# Altium PCB PCB_CARTE_SON.PcbDoc (part 2 of 5)
Units mil, origin at the board's own origin, x right, y up, seen from the top; angles counter-clockwise.
Board outline 6000 x 4000 mil, 2 copper layers (Top Layer, Bottom Layer); 1714 components, 935 nets, 4585 pads, 9 vias.
Unrouted connection lines stored in the file: 2325.
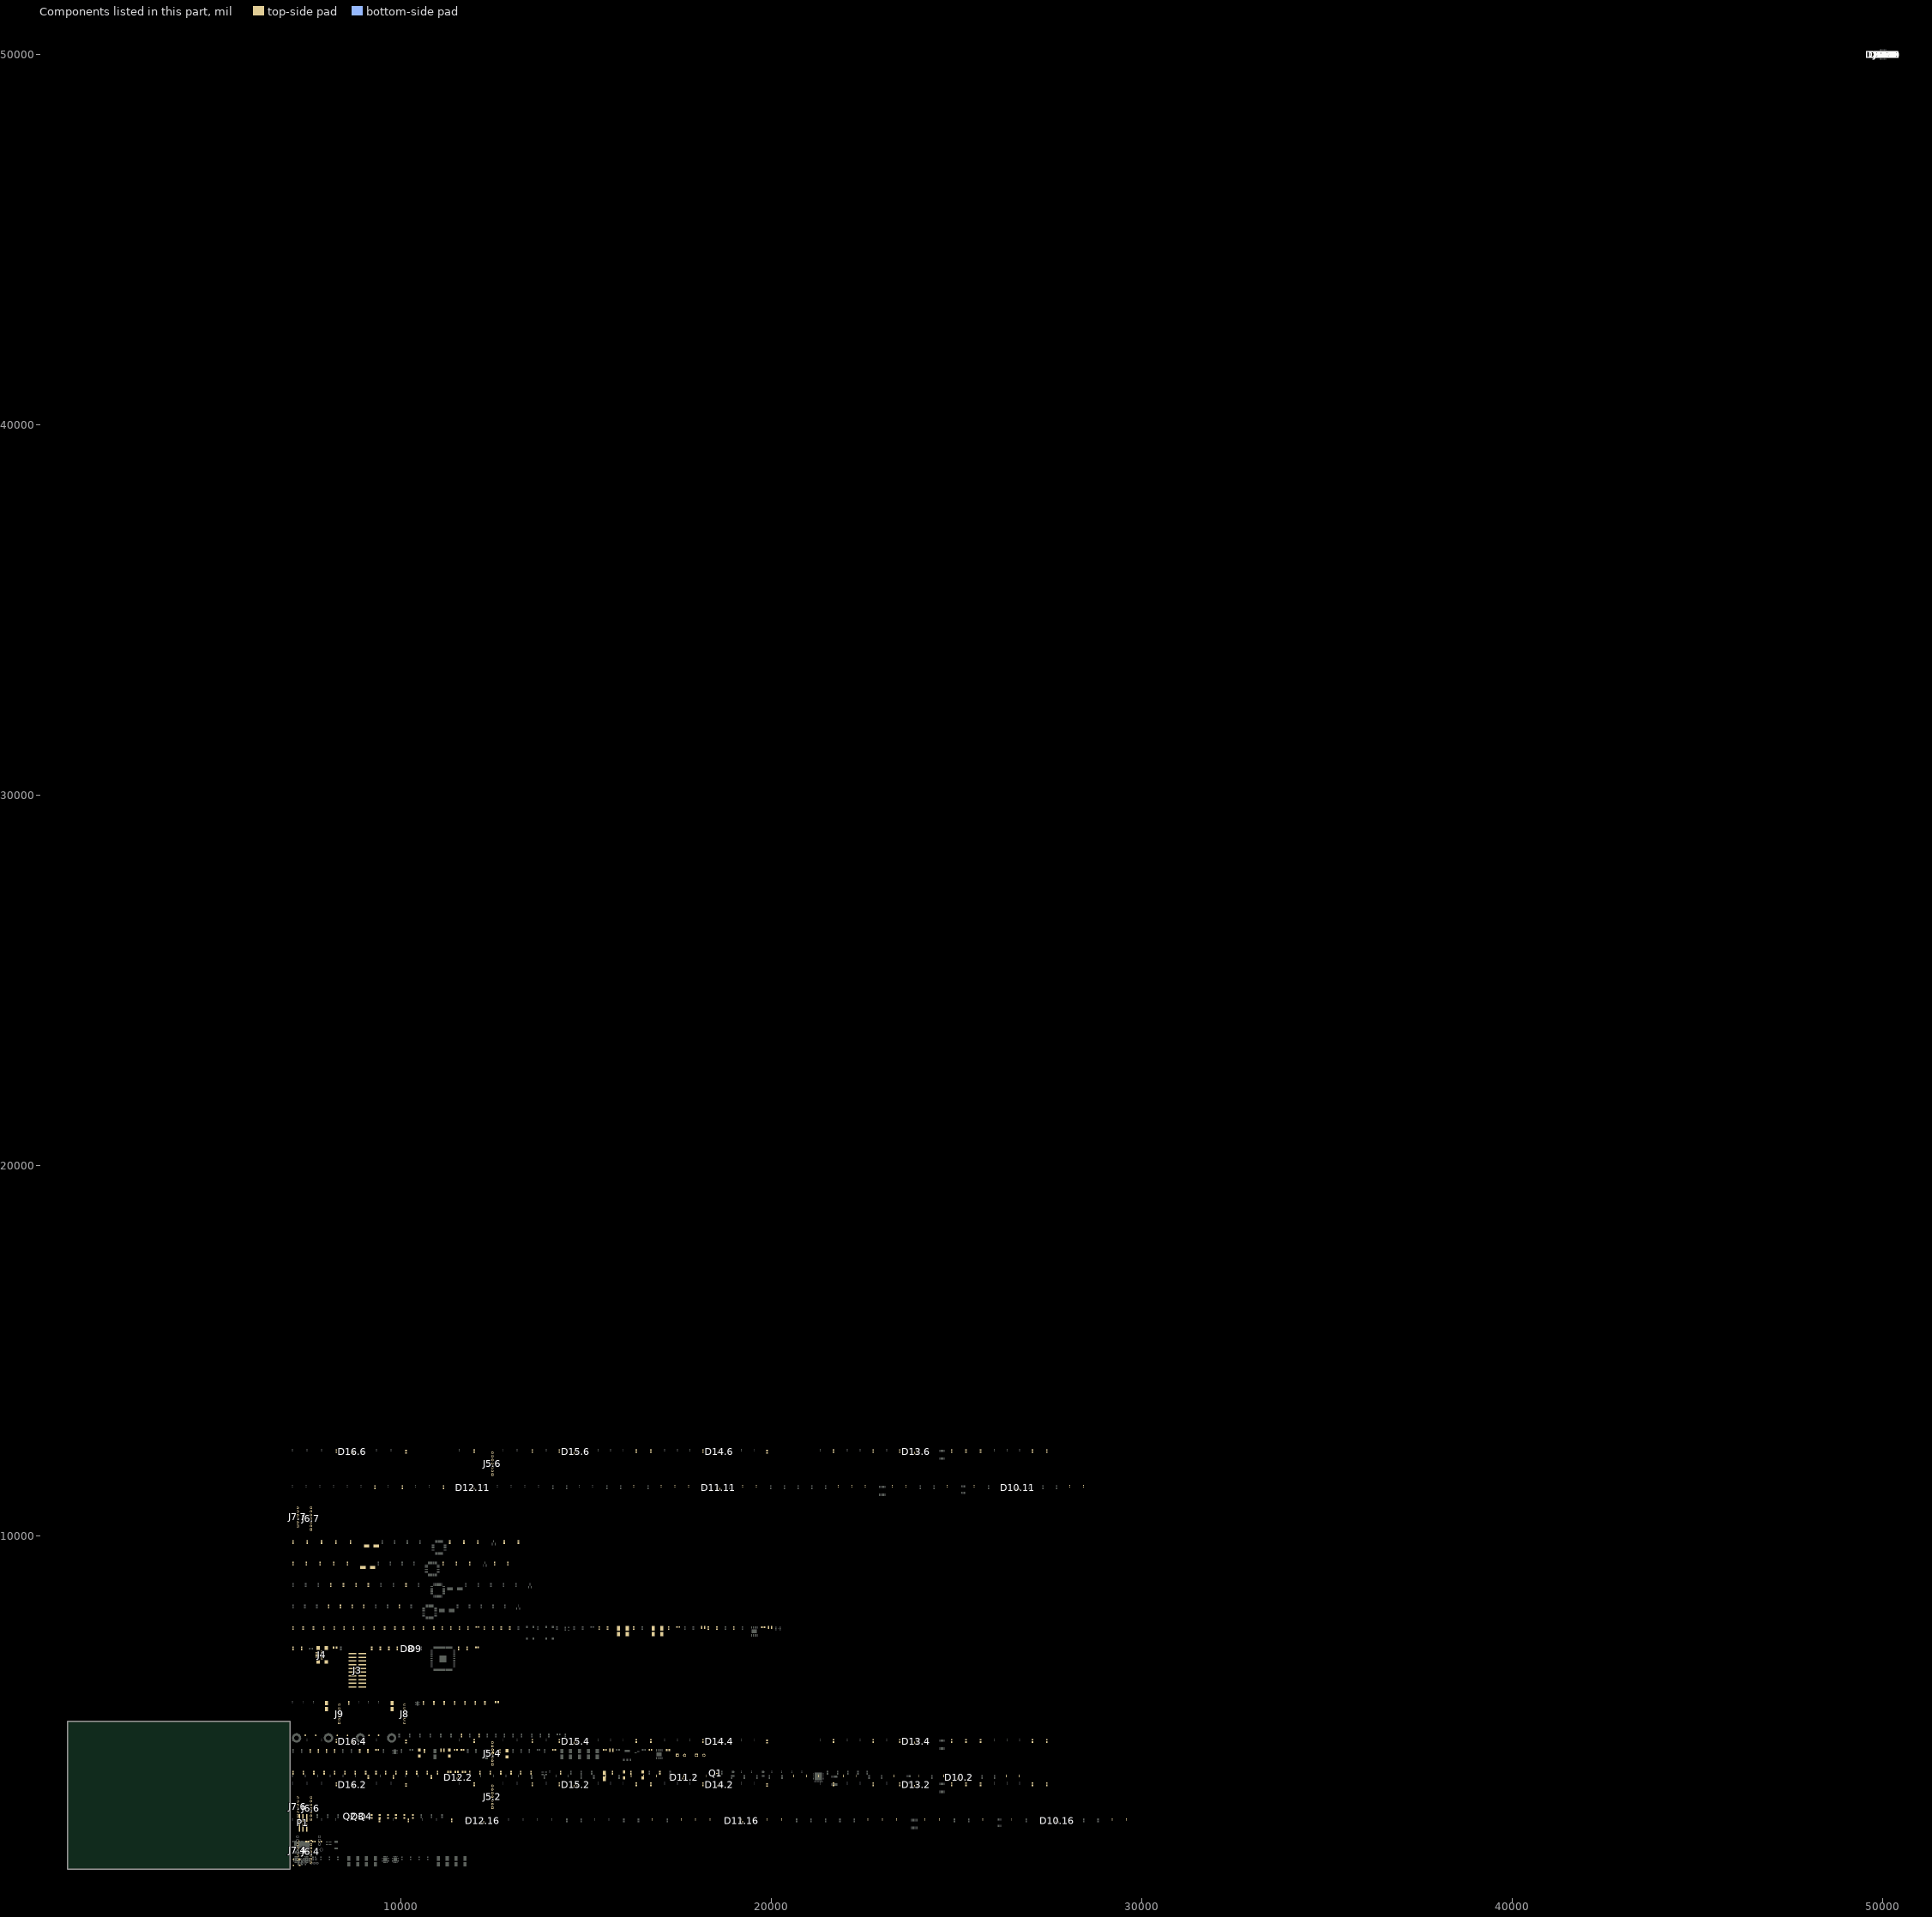
[diagram p2: the components of this part, seen from the top]

## Components (designator, comment, footprint, x,y, rotation, side; value= is the part's Value field where it differs from the comment) (continued)
C73.15 "Capacitor" 0603 49999.5,49999.5 r0 top (schematic designator C73)
C73.16 "Capacitor" 0603 11755,2325 r90 top (schematic designator C73)
C74.1 "Capacitor" 0603 49999.5,49999.5 r0 top (schematic designator C74)
C74.2 "Capacitor" 0603 10815,3495 r90 top (schematic designator C74)
C74.3 "Capacitor" 0603 49999.5,49999.5 r0 top (schematic designator C74)
C74.4 "Capacitor" 0603 49999.5,49999.5 r0 top (schematic designator C74)
C74.5 "Capacitor" 0603 49999.5,49999.5 r0 top (schematic designator C74)
C74.6 "Capacitor" 0603 49999.5,49999.5 r0 top (schematic designator C74)
C74.7 "Capacitor" 0603 49999.5,49999.5 r0 top (schematic designator C74)
C74.8 "Capacitor" 0603 49999.5,49999.5 r0 top (schematic designator C74)
C74.9 "Capacitor" 0603 49999.5,49999.5 r0 top (schematic designator C74)
C74.10 "Capacitor" 0603 49999.5,49999.5 r0 top (schematic designator C74)
C74.11 "Capacitor" 0603 11145,11320 r90 top (schematic designator C74)
C74.12 "Capacitor" 0603 49999.5,49999.5 r0 top (schematic designator C74)
C74.13 "Capacitor" 0603 49999.5,49999.5 r0 top (schematic designator C74)
C74.14 "Capacitor" 0603 49999.5,49999.5 r0 top (schematic designator C74)
C74.15 "Capacitor" 0603 49999.5,49999.5 r0 top (schematic designator C74)
C74.16 "Capacitor" 0603 11365,2325 r90 top (schematic designator C74)
C75.1 "Capacitor" 0603 49999.5,49999.5 r0 top (schematic designator C75)
C75.2 "Capacitor" 0603 9795,3495 r90 top (schematic designator C75)
C75.3 "Capacitor" 0603 49999.5,49999.5 r0 top (schematic designator C75)
C75.4 "Capacitor" 0603 49999.5,49999.5 r0 top (schematic designator C75)
C75.5 "Capacitor" 0603 49999.5,49999.5 r0 top (schematic designator C75)
C75.6 "Capacitor" 0603 49999.5,49999.5 r0 top (schematic designator C75)
C75.7 "Capacitor" 0603 49999.5,49999.5 r0 top (schematic designator C75)
C75.8 "Capacitor" 0603 49999.5,49999.5 r0 top (schematic designator C75)
C75.9 "Capacitor" 0603 49999.5,49999.5 r0 top (schematic designator C75)
C75.10 "Capacitor" 0603 49999.5,49999.5 r0 top (schematic designator C75)
C75.11 "Capacitor" 0603 10035,11320 r90 top (schematic designator C75)
C75.12 "Capacitor" 0603 49999.5,49999.5 r0 top (schematic designator C75)
C75.13 "Capacitor" 0603 49999.5,49999.5 r0 top (schematic designator C75)
C75.14 "Capacitor" 0603 49999.5,49999.5 r0 top (schematic designator C75)
C75.15 "Capacitor" 0603 49999.5,49999.5 r0 top (schematic designator C75)
C75.16 "Capacitor" 0603 10195,2325 r90 top (schematic designator C75)
C76.1 "Capacitor" 0603 49999.5,49999.5 r0 top (schematic designator C76)
C76.2 "Capacitor" 0603 9115,3495 r90 top (schematic designator C76)
C76.3 "Capacitor" 0603 49999.5,49999.5 r0 top (schematic designator C76)
C76.4 "Capacitor" 0603 49999.5,49999.5 r0 top (schematic designator C76)
C76.5 "Capacitor" 0603 49999.5,49999.5 r0 top (schematic designator C76)
C76.6 "Capacitor" 0603 49999.5,49999.5 r0 top (schematic designator C76)
C76.7 "Capacitor" 0603 49999.5,49999.5 r0 top (schematic designator C76)
C76.8 "Capacitor" 0603 49999.5,49999.5 r0 top (schematic designator C76)
C76.9 "Capacitor" 0603 49999.5,49999.5 r0 top (schematic designator C76)
C76.10 "Capacitor" 0603 49999.5,49999.5 r0 top (schematic designator C76)
C76.11 "Capacitor" 0603 9295,11320 r90 top (schematic designator C76)
C76.12 "Capacitor" 0603 49999.5,49999.5 r0 top (schematic designator C76)
C76.13 "Capacitor" 0603 49999.5,49999.5 r0 top (schematic designator C76)
C76.14 "Capacitor" 0603 49999.5,49999.5 r0 top (schematic designator C76)
C76.15 "Capacitor" 0603 49999.5,49999.5 r0 top (schematic designator C76)
C76.16 "Capacitor" 0603 9415,2325 r90 top (schematic designator C76)
C77 "Capacitor" 0603 18985,7515 r90 top
C78 "Capacitor" 0603 18525,7515 r90 top
C79 "Capacitor" 0603 18295,7515 r90 top
C80 "Capacitor" 0603 17220,7515 r90 top
C81 "Capacitor" 0603 17480,7545 r0 top
C82 "Capacitor_Polarized" CAP_RAD_SMD_DIA157 16805,7430 r90 top
C83 "Capacitor_Polarized" CAP_RAD_SMD_DIA157 17040,7430 r90 top
C84 "Capacitor" 0603 16280,7515 r90 top
C85 "Capacitor_Polarized" CAP_RAD_SMD_DIA157 15865,7430 r90 top
C86 "Capacitor_Polarized" CAP_RAD_SMD_DIA157 16105,7430 r90 top
C87 "Capacitor" 0603 15575,7515 r90 top
C88 "Capacitor" 0603 15345,7515 r90 top
C89 "Capacitor" 0603 12935,7515 r90 top
C90 "Capacitor" 0603 11805,7515 r90 top
C91 "Capacitor" 0603 12065,7545 r0 top
C92 "Capacitor" 0603 12245,7515 r90 top
C93 "Capacitor" 0603 12475,7515 r90 top
C94 "Capacitor" 0603 12705,7515 r90 top
C95 "Capacitor" 0603 10885,7515 r90 top
C96 "Capacitor" 0603 11115,7515 r90 top
C97 "Capacitor" 0603 11345,7515 r90 top
C98 "Capacitor" 0603 11575,7515 r90 top
C99 "Capacitor" 0603 9835,7515 r90 top
C100 "Capacitor" 0603 10065,7515 r90 top
C101 "Capacitor" 0603 10345,7515 r90 top
C102 "Capacitor" 0603 10605,7515 r90 top
C103 "Capacitor" 0603 8715,7515 r90 top
C104 "Capacitor" 0603 8995,7515 r90 top
C105 "Capacitor" 0603 9275,7515 r90 top
C106 "Capacitor" 0603 9555,7515 r90 top
C107 "Capacitor" 0603 7355,7515 r90 top
C108 "Capacitor" 0603 7635,7515 r90 top
C109 "Capacitor" 0603 7915,7515 r90 top
C110 "Capacitor" 0603 8195,7515 r90 top
C111 "Capacitor" 0603 8465,7515 r90 top
C112 "Capacitor" 0603 7085,7515 r90 top
C114.1 "Capacitor" 0603 12885,9255 r90 top (schematic designator C114)
C114.2 "Capacitor" 0603 13165,9835 r90 top (schematic designator C114)
C115.1 "Capacitor" 0603 12525,9255 r90 top (schematic designator C115)
C115.2 "Capacitor" 0603 12785,9835 r90 top (schematic designator C115)
C116.1 "Capacitor" 0603 11495,9255 r90 top (schematic designator C116)
C116.2 "Capacitor" 0603 11695,9835 r90 top (schematic designator C116)
C117.1 "Capacitor" 0603 11855,9255 r90 top (schematic designator C117)
C117.2 "Capacitor" 0603 12075,9835 r90 top (schematic designator C117)
C118.1 "Capacitor" 0603 11135,9255 r90 top (schematic designator C118)
C118.2 "Capacitor" 0603 11315,9835 r90 top (schematic designator C118)
C119.1 "Capacitor_Polarized_1" CAP_RAD_SMD_DIA315 9100,9150 r0 top (schematic designator C119)
C119.2 "Capacitor_Polarized_1" CAP_RAD_SMD_DIA315 9200,9730 r0 top (schematic designator C119)
C120.1 "Capacitor" 0603 8555,9255 r90 top (schematic designator C120)
C120.2 "Capacitor" 0603 8635,9835 r90 top (schematic designator C120)
C121.1 "Capacitor" 0603 7085,9255 r90 top (schematic designator C121)
C121.2 "Capacitor" 0603 7085,9835 r90 top (schematic designator C121)
C122.1 "Capacitor" 0603 7445,9255 r90 top (schematic designator C122)
C122.2 "Capacitor" 0603 7465,9835 r90 top (schematic designator C122)
C123.1 "Capacitor" 0603 7815,9255 r90 top (schematic designator C123)
C123.2 "Capacitor" 0603 7855,9835 r90 top (schematic designator C123)
C124.1 "Capacitor" 0603 8185,9255 r90 top (schematic designator C124)
C124.2 "Capacitor" 0603 8245,9835 r90 top (schematic designator C124)
C125.1 "Capacitor" 0603 49999.5,49999.5 r0 top (schematic designator C124)
C125.2 "Capacitor" 0603 27430,3300 r90 top (schematic designator C124)
C125.3 "Capacitor" 0603 49999.5,49999.5 r0 top (schematic designator C124)
C125.4 "Capacitor" 0603 27430,4470 r90 top (schematic designator C124)
C125.5 "Capacitor" 0603 49999.5,49999.5 r0 top (schematic designator C124)
C125.6 "Capacitor" 0603 27430,12295 r90 top (schematic designator C125)
C125.7 "Capacitor" 0603 49999.5,49999.5 r0 top (schematic designator C124)
C125.8 "Capacitor" 0603 49999.5,49999.5 r0 top (schematic designator C124)
C126.1 "Capacitor" 0603 49999.5,49999.5 r0 top (schematic designator C125)
C126.2 "Capacitor" 0603 27040,3300 r90 top (schematic designator C125)
C126.3 "Capacitor" 0603 49999.5,49999.5 r0 top (schematic designator C125)
C126.4 "Capacitor" 0603 27040,4470 r90 top (schematic designator C125)
C126.5 "Capacitor" 0603 49999.5,49999.5 r0 top (schematic designator C125)
C126.6 "Capacitor" 0603 27040,12295 r90 top (schematic designator C126)
C126.7 "Capacitor" 0603 49999.5,49999.5 r0 top (schematic designator C125)
C126.8 "Capacitor" 0603 49999.5,49999.5 r0 top (schematic designator C125)
C127.1 "Capacitor" 0603 49999.5,49999.5 r0 top (schematic designator C126)
C127.2 "Capacitor" 0603 25250,3300 r90 top (schematic designator C126)
C127.3 "Capacitor" 0603 49999.5,49999.5 r0 top (schematic designator C126)
C127.4 "Capacitor" 0603 25250,4470 r90 top (schematic designator C126)
C127.5 "Capacitor" 0603 49999.5,49999.5 r0 top (schematic designator C126)
C127.6 "Capacitor" 0603 25250,12295 r90 top (schematic designator C127)
C127.7 "Capacitor" 0603 49999.5,49999.5 r0 top (schematic designator C126)
C127.8 "Capacitor" 0603 49999.5,49999.5 r0 top (schematic designator C126)
C128.1 "Capacitor" 0603 49999.5,49999.5 r0 top (schematic designator C127)
C128.2 "Capacitor" 0603 25640,3300 r90 top (schematic designator C127)
C128.3 "Capacitor" 0603 49999.5,49999.5 r0 top (schematic designator C127)
C128.4 "Capacitor" 0603 25640,4470 r90 top (schematic designator C127)
C128.5 "Capacitor" 0603 49999.5,49999.5 r0 top (schematic designator C127)
C128.6 "Capacitor" 0603 25640,12295 r90 top (schematic designator C128)
C128.7 "Capacitor" 0603 49999.5,49999.5 r0 top (schematic designator C127)
C128.8 "Capacitor" 0603 49999.5,49999.5 r0 top (schematic designator C127)
C129.1 "Capacitor" 0603 49999.5,49999.5 r0 top (schematic designator C128)
C129.2 "Capacitor" 0603 24860,3300 r90 top (schematic designator C128)
C129.3 "Capacitor" 0603 49999.5,49999.5 r0 top (schematic designator C128)
C129.4 "Capacitor" 0603 24860,4470 r90 top (schematic designator C128)
C129.5 "Capacitor" 0603 49999.5,49999.5 r0 top (schematic designator C128)
C129.6 "Capacitor" 0603 24860,12295 r90 top (schematic designator C129)
C129.7 "Capacitor" 0603 49999.5,49999.5 r0 top (schematic designator C128)
C129.8 "Capacitor" 0603 49999.5,49999.5 r0 top (schematic designator C128)
C130.1 "Capacitor" 0603 49999.5,49999.5 r0 top (schematic designator C129)
C130.2 "Capacitor" 0603 23460,3300 r90 top (schematic designator C129)
C130.3 "Capacitor" 0603 49999.5,49999.5 r0 top (schematic designator C129)
C130.4 "Capacitor" 0603 23460,4470 r90 top (schematic designator C129)
C130.5 "Capacitor" 0603 49999.5,49999.5 r0 top (schematic designator C129)
C130.6 "Capacitor" 0603 23460,12295 r90 top (schematic designator C130)
C130.7 "Capacitor" 0603 49999.5,49999.5 r0 top (schematic designator C129)
C130.8 "Capacitor" 0603 49999.5,49999.5 r0 top (schematic designator C129)
C131.1 "Capacitor" 0603 49999.5,49999.5 r0 top (schematic designator C130)
C131.2 "Capacitor" 0603 22740,3300 r90 top (schematic designator C130)
C131.3 "Capacitor" 0603 49999.5,49999.5 r0 top (schematic designator C130)
C131.4 "Capacitor" 0603 22740,4470 r90 top (schematic designator C130)
C131.5 "Capacitor" 0603 49999.5,49999.5 r0 top (schematic designator C130)
C131.6 "Capacitor" 0603 22740,12295 r90 top (schematic designator C131)
C131.7 "Capacitor" 0603 49999.5,49999.5 r0 top (schematic designator C130)
C131.8 "Capacitor" 0603 49999.5,49999.5 r0 top (schematic designator C130)
C132.1 "Capacitor" 0603 49999.5,49999.5 r0 top (schematic designator C131)
C132.2 "Capacitor" 0603 21670,3300 r90 top (schematic designator C131)
C132.3 "Capacitor" 0603 49999.5,49999.5 r0 top (schematic designator C131)
C132.4 "Capacitor" 0603 21670,4470 r90 top (schematic designator C131)
C132.5 "Capacitor" 0603 49999.5,49999.5 r0 top (schematic designator C131)
C132.6 "Capacitor" 0603 21670,12295 r90 top (schematic designator C132)
C132.7 "Capacitor" 0603 49999.5,49999.5 r0 top (schematic designator C131)
C132.8 "Capacitor" 0603 49999.5,49999.5 r0 top (schematic designator C131)
C132_U_OutputConnectors1 "Capacitor" 0603 49999.5,49999.5 r0 top (schematic designator C132)
C132_U_OutputConnectors2 "Capacitor" 0603 19880,3280 r90 top (schematic designator C132)
C132_U_OutputConnectors3 "Capacitor" 0603 49999.5,49999.5 r0 top (schematic designator C132)
C132_U_OutputConnectors4 "Capacitor" 0603 19880,4450 r90 top (schematic designator C132)
C132_U_OutputConnectors5 "Capacitor" 0603 49999.5,49999.5 r0 top (schematic designator C132)
C132_U_OutputConnectors6 "Capacitor" 0603 19880,12275 r90 top (schematic designator C132)
C132_U_OutputConnectors7 "Capacitor" 0603 49999.5,49999.5 r0 top (schematic designator C132)
C132_U_OutputConnectors8 "Capacitor" 0603 49999.5,49999.5 r0 top (schematic designator C132)
C134.1 "Capacitor" 0603 49999.5,49999.5 r0 top (schematic designator C133)
C134.2 "Capacitor" 0603 18150,3300 r90 top (schematic designator C133)
C134.3 "Capacitor" 0603 49999.5,49999.5 r0 top (schematic designator C133)
C134.4 "Capacitor" 0603 18150,4470 r90 top (schematic designator C133)
C134.5 "Capacitor" 0603 49999.5,49999.5 r0 top (schematic designator C133)
C134.6 "Capacitor" 0603 18150,12295 r90 top (schematic designator C134)
C134.7 "Capacitor" 0603 49999.5,49999.5 r0 top (schematic designator C133)
C134.8 "Capacitor" 0603 49999.5,49999.5 r0 top (schematic designator C133)
C135.1 "Capacitor" 0603 49999.5,49999.5 r0 top (schematic designator C134)
C135.2 "Capacitor" 0603 16740,3300 r90 top (schematic designator C134)
C135.3 "Capacitor" 0603 49999.5,49999.5 r0 top (schematic designator C134)
C135.4 "Capacitor" 0603 16740,4470 r90 top (schematic designator C134)
C135.5 "Capacitor" 0603 49999.5,49999.5 r0 top (schematic designator C134)
C135.6 "Capacitor" 0603 16740,12295 r90 top (schematic designator C135)
C135.7 "Capacitor" 0603 49999.5,49999.5 r0 top (schematic designator C134)
C135.8 "Capacitor" 0603 49999.5,49999.5 r0 top (schematic designator C134)
C136.1 "Capacitor" 0603 49999.5,49999.5 r0 top (schematic designator C135)
C136.2 "Capacitor" 0603 16350,3300 r90 top (schematic designator C135)
C136.3 "Capacitor" 0603 49999.5,49999.5 r0 top (schematic designator C135)
C136.4 "Capacitor" 0603 16350,4470 r90 top (schematic designator C135)
C136.5 "Capacitor" 0603 49999.5,49999.5 r0 top (schematic designator C135)
C136.6 "Capacitor" 0603 16350,12295 r90 top (schematic designator C136)
C136.7 "Capacitor" 0603 49999.5,49999.5 r0 top (schematic designator C135)
C136.8 "Capacitor" 0603 49999.5,49999.5 r0 top (schematic designator C135)
C137.1 "Capacitor" 0603 49999.5,49999.5 r0 top (schematic designator C136)
C137.2 "Capacitor" 0603 14270,3300 r90 top (schematic designator C136)
C137.3 "Capacitor" 0603 49999.5,49999.5 r0 top (schematic designator C136)
C137.4 "Capacitor" 0603 14270,4470 r90 top (schematic designator C136)
C137.5 "Capacitor" 0603 49999.5,49999.5 r0 top (schematic designator C136)
C137.6 "Capacitor" 0603 14270,12295 r90 top (schematic designator C137)
C137.7 "Capacitor" 0603 49999.5,49999.5 r0 top (schematic designator C136)
C137.8 "Capacitor" 0603 49999.5,49999.5 r0 top (schematic designator C136)
C138.1 "Capacitor" 0603 49999.5,49999.5 r0 top (schematic designator C137)
C138.2 "Capacitor" 0603 13540,3300 r90 top (schematic designator C137)
C138.3 "Capacitor" 0603 49999.5,49999.5 r0 top (schematic designator C137)
C138.4 "Capacitor" 0603 13540,4470 r90 top (schematic designator C137)
C138.5 "Capacitor" 0603 49999.5,49999.5 r0 top (schematic designator C137)
C138.6 "Capacitor" 0603 13540,12295 r90 top (schematic designator C138)
C138.7 "Capacitor" 0603 49999.5,49999.5 r0 top (schematic designator C137)
C138.8 "Capacitor" 0603 49999.5,49999.5 r0 top (schematic designator C137)
C139.1 "Capacitor" 0603 49999.5,49999.5 r0 top (schematic designator C138)
C139.2 "Capacitor" 0603 11975,3300 r90 top (schematic designator C138)
C139.3 "Capacitor" 0603 49999.5,49999.5 r0 top (schematic designator C138)
C139.4 "Capacitor" 0603 11975,4470 r90 top (schematic designator C138)
C139.5 "Capacitor" 0603 49999.5,49999.5 r0 top (schematic designator C138)
C139.6 "Capacitor" 0603 11975,12295 r90 top (schematic designator C139)
C139.7 "Capacitor" 0603 49999.5,49999.5 r0 top (schematic designator C138)
C139.8 "Capacitor" 0603 49999.5,49999.5 r0 top (schematic designator C138)
C139_U_OutputConnectors1 "Capacitor" 0603 49999.5,49999.5 r0 top (schematic designator C139)
C139_U_OutputConnectors2 "Capacitor" 0603 10135,3280 r90 top (schematic designator C139)
C139_U_OutputConnectors3 "Capacitor" 0603 49999.5,49999.5 r0 top (schematic designator C139)
C139_U_OutputConnectors4 "Capacitor" 0603 10135,4450 r90 top (schematic designator C139)
C139_U_OutputConnectors5 "Capacitor" 0603 49999.5,49999.5 r0 top (schematic designator C139)
C139_U_OutputConnectors6 "Capacitor" 0603 10135,12275 r90 top (schematic designator C139)
C139_U_OutputConnectors7 "Capacitor" 0603 49999.5,49999.5 r0 top (schematic designator C139)
C139_U_OutputConnectors8 "Capacitor" 0603 49999.5,49999.5 r0 top (schematic designator C139)
C141.1 "Capacitor" 0603 49999.5,49999.5 r0 top (schematic designator C140)
C141.2 "Capacitor" 0603 8255,3300 r90 top (schematic designator C140)
C141.3 "Capacitor" 0603 49999.5,49999.5 r0 top (schematic designator C140)
C141.4 "Capacitor" 0603 8255,4470 r90 top (schematic designator C140)
C141.5 "Capacitor" 0603 49999.5,49999.5 r0 top (schematic designator C140)
C141.6 "Capacitor" 0603 8255,12295 r90 top (schematic designator C141)
C141.7 "Capacitor" 0603 49999.5,49999.5 r0 top (schematic designator C140)
C141.8 "Capacitor" 0603 49999.5,49999.5 r0 top (schematic designator C140)
C142 "Capacitor" 0603 16985,3610 r90 top
C143 "Capacitor" 0603 16205,3610 r90 top
C144 "Capacitor_Polarized" CAP_RAD_SMD_DIA157 15485,3525 r90 top
C145 "Capacitor" 0603 15705,3610 r90 top
C146 "Capacitor" 0603 14305,3610 r90 top
C147 "Capacitor" 0603 13230,3610 r90 top
C148 "Capacitor" 0603 13510,3610 r90 top
C149 "Capacitor" 0603 12410,3610 r90 top
C150 "Capacitor" 0603 12690,3610 r90 top
C151 "Capacitor" 0603 12970,3610 r90 top
C152 "Capacitor" 0603 11850,3610 r90 top
C153 "Capacitor" 0603 12130,3610 r90 top
C154 "Capacitor" 0603 9585,3610 r90 top
C155 "Capacitor" 0603 9865,3610 r90 top
C156 "Capacitor" 0603 10145,3610 r90 top
C157 "Capacitor" 0603 10425,3610 r90 top
C158 "Capacitor" 0603 10705,3610 r90 top
C159 "Capacitor" 0603 10985,3610 r90 top
C160 "Capacitor" 0603 9045,3610 r90 top
C161 "Capacitor" 0603 9325,3610 r90 top
C162 "Capacitor" 0603 7365,3610 r90 top
C163 "Capacitor" 0603 7645,3610 r90 top
C164 "Capacitor" 0603 7925,3610 r90 top
C165 "Capacitor" 0603 8205,3610 r90 top
C166 "Capacitor" 0603 8485,3610 r90 top
C167 "Capacitor" 0603 8765,3610 r90 top
C168 "Capacitor" 0603 7085,3610 r90 top
C169 "Capacitor" 0603 11445,5495 r90 top
C170 "Capacitor" 0603 11725,5495 r90 top
C171 "Capacitor" 0603 12005,5495 r90 top
C172 "Capacitor" 0603 12265,5495 r90 top
C173 "Capacitor" 0603 10885,5495 r90 top
C174 "Capacitor" 0603 11165,5495 r90 top
C175 "Capacitor" 0603 10605,5495 r90 top
C176 "Capacitor_Polarized" CAP_RAD_SMD_DIA157 9755,5410 r90 top
C177 "Capacitor" 0603 8590,5495 r90 top
C178 "Capacitor_Polarized" CAP_RAD_SMD_DIA157 7990,5410 r90 top
D1 "Schottky" SOD-123 7265,1190 r90 top
D2 "Diode_LED" 0805_LED 12485,4190 r90 top
D3 "Diode_LED" 0805_LED 12655,4190 r90 top
D4 "Diode_zener" DIODE_DO-214AC/SMA 12860,4120 r90 top
D5 "Diode" DIODE_SMA 11305,4140 r90 top
D6 "Schottky" SOD-123 7095,1190 r90 top
D7 "Diode" DIODE_SMA 10490,4140 r90 top
D8 "Diode_dual" SOT23_132 10175,6950 r0 top
D9 "Diode_dual" SOT23_132 10380,6950 r0 top
D10.1 "Diode_dual" SOT23_132 49999.5,49999.5 r0 top (schematic designator D10)
D10.2 "Diode_dual" SOT23_132 25055,3480 r90 top (schematic designator D10)
D10.3 "Diode_dual" SOT23_132 49999.5,49999.5 r0 top (schematic designator D10)
D10.4 "Diode_dual" SOT23_132 49999.5,49999.5 r0 top (schematic designator D10)
D10.5 "Diode_dual" SOT23_132 49999.5,49999.5 r0 top (schematic designator D10)
D10.6 "Diode_dual" SOT23_132 49999.5,49999.5 r0 top (schematic designator D10)
D10.7 "Diode_dual" SOT23_132 49999.5,49999.5 r0 top (schematic designator D10)
D10.8 "Diode_dual" SOT23_132 49999.5,49999.5 r0 top (schematic designator D10)
D10.9 "Diode_dual" SOT23_132 49999.5,49999.5 r0 top (schematic designator D10)
D10.10 "Diode_dual" SOT23_132 49999.5,49999.5 r0 top (schematic designator D10)
D10.11 "Diode_dual" SOT23_132 26645,11305 r90 top (schematic designator D10)
D10.12 "Diode_dual" SOT23_132 49999.5,49999.5 r0 top (schematic designator D10)
D10.13 "Diode_dual" SOT23_132 49999.5,49999.5 r0 top (schematic designator D10)